# KiCad board 2 - CPU and core components (Rev 2.2).kicad_pcb (continued)
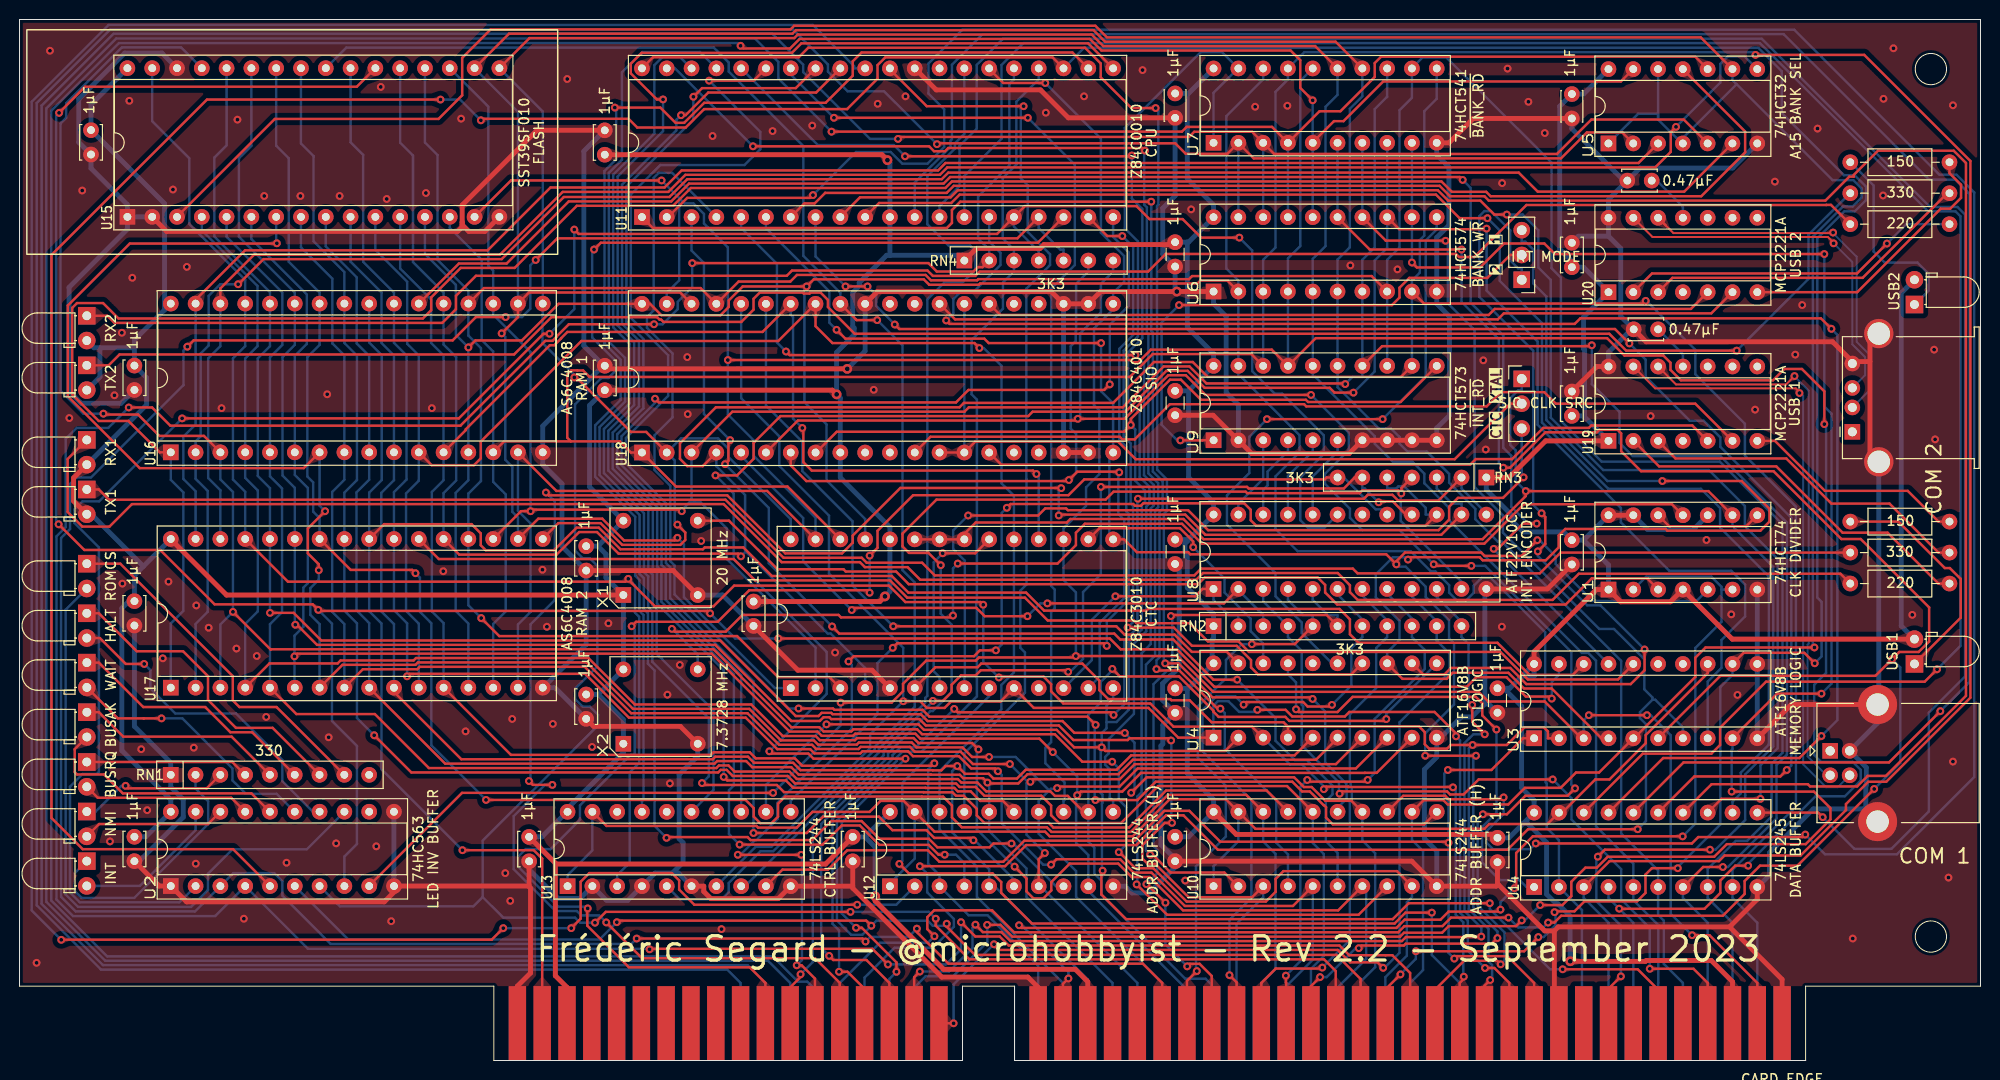
[diagram p0: board, top side]
## Routing (per net, layer and track width the routed paths; a pad name or vN(x,y) marks a point on that pad's centre or on a via; arc(x,y) is an arc through that point) (continued)
A14: length 247.8
  Top w0.25: U10.9 141.09,19.41 129.46,19.41 128.66,18.6 128.66,17.28 127.66,16.29 119.55,16.29 116.13,19.7 114.29,19.7 112.92,21.08 112.87,21.08 v2(112.59,21.35) ; v2(21.86,45.97) 25.72,42.11 25.75,42.14 71.07,42.14 79.06,34.15 81.92,34.15 82.35,33.72 85.19,33.72 85.41,33.94 91.95,33.94 92.45,33.43 106.04,33.43 108.86,30.62 v2(111.92,30.62) ; v2(8.59,66.29) 8.68,66.2 12.14,66.2 14.33,64.01 18.89,64.01 U16.3
  Bottom w0.25: v2(111.92,30.62) 112.6,29.93 112.6,26.71 113.35,25.96 113.35,22.11 v2(112.59,21.35) ; U15.29 16.55,103.82 10.48,103.82 4.78,98.11 4.78,96.6 4.2,96.03 4.2,68.63 6.54,66.29 v2(8.59,66.29) ; U10.9 142.63,16.74 142.1,16.22 142.1,10.74 139.9,8.53 J1.17 ; U17.3 20.57,44.69 v2(21.86,45.97) 21.86,58.27 20.57,59.56 U16.3
A15: length 336.4
  Top w0.25: v2(183.85,42.32) 172.7,42.32 171.65,41.27 171.65,39.31 165.36,33.02 U3.5 161.79,29.51 159.43,29.51 157.85,27.94 154.19,27.94 152.49,26.24 146.28,26.24 145.84,26.68 143.82,26.68 U10.12 ; U5.9 172.2,104.85 111.38,104.85 110.19,106.04 79.34,106.04 78.98,105.67 48.26,105.67 45.34,102.75 45.34,98.91 42.91,96.49 26.15,96.49 16.13,86.47 U15.3
  Bottom w0.25: 167.83,96.43 U5.12 ; 167.83,96.43 169.72,94.54 170.37,94.54 ; 167.83,96.43 167.83,97.03 165.8,97.03 U5.1 ; U5.9 175.45,100.47 175.88,100.05 ; U5.4 170.37,94.54 ; 170.37,94.54 175.88,100.05 ; 175.88,100.05 185.71,90.22 187.83,90.22 188.69,89.36 188.69,88.45 187.77,87.53 186.78,87.53 183.69,84.44 183.69,42.49 v2(183.85,42.32) ; J1.16 142.44,7.95 143.76,9.27 143.76,21.46 142.63,22.59 U10.12
BA15: length 182
  Top w0.25: U16.31 18.03,77.96 23.1,83.02 47.95,83.02 54.39,89.46 66.07,89.46 67.82,91.22 94.09,91.22 94.85,91.98 165.83,91.98 U5.3
  Bottom w0.25: U17.31 18.03,58.34 16.78,59.59 16.78,63.93 18.03,65.18 U16.31
BA16: length 205.9
  Top w0.25: U5.6 170.51,89.04 155.51,89.04 153.56,90.99 95.13,90.99 94.46,90.31 68.39,90.31 66.57,88.49 55.75,88.49 49.39,82.12 24.99,82.12 22.42,79.55 v2(22.39,79.55)
  Bottom w0.25: v2(22.39,79.55) 20.57,79.55 19.37,78.36 19.37,73.28 18.55,72.46 18.55,63.97 18.03,63.45 U16.2 18.03,59.61 19.27,58.37 19.27,45.97 18.03,44.74 U17.2
BA17: length 196.8
  Top w0.25: U16.30 20.57,79.13 24.02,82.57 49.2,82.57 55.64,89.01 66.45,89.01 68.21,90.76 94.27,90.76 95.03,91.53 167.54,91.53 169.13,93.12 169.13,95.14 v2(169.67,95.68)
  Bottom w0.25: U17.30 20.57,58.44 19.32,59.69 19.32,71.96 20.57,73.21 U16.30 ; U5.8 176.71,102.89 174.96,102.89 174.21,102.13 174.21,100.22 v2(169.67,95.68)
BA18: length 239.1
  Top w0.25: U16.1 14.37,62.32 11.16,65.54 8.12,65.54 5.4,68.26 5.4,77.13 5.89,77.62 8.55,77.62 10.13,76.04 41.31,76.04 42.16,76.89 42.16,78.2 45.19,81.22 50.71,81.22 57.08,87.59 66.94,87.59 68.76,89.41 94.83,89.41 95.51,90.09 145.64,90.09 146.71,89.02 150.23,89.02 150.68,88.57 172.26,88.57 176.75,93.07 176.75,95.2 170.37,101.58 U5.11
  Bottom w0.25: U16.1 15.49,59.51 16.78,58.22 16.78,46.08 15.49,44.79 U17.1
BUS_IEI: length 175.4
  Top w0.25: v2(151.71,9.86) 151.35,10.21 147.95,10.21 144.98,7.24 J1.46 ; U18.6 76.45,62.31 79.73,65.59 108.23,65.59 v2(108.4,65.76) 113.2,65.76 117.67,70.23 119.46,70.23 121.48,68.21 v2(132.29,68.21) ; v2(159.33,27.89) 158.57,27.13 154.24,27.13 152.35,25.23 v2(149.89,25.23) ; v2(144.85,50.85) 145.01,50.69 v2(148.71,50.69)
  Bottom w0.25: v2(149.89,25.23) 149.35,24.69 149.35,15.88 152.1,13.13 152.1,10.25 v2(151.71,9.86) ; v2(148.71,50.69) 150.12,50.69 158.95,41.86 158.95,28.27 v2(159.33,27.89) ; RN4.7 112.01,80.85 110.76,79.6 110.76,76.65 108.63,74.52 108.63,65.99 v2(108.4,65.76) ; v2(144.85,50.85) 141.34,54.37 137.52,54.37 136.27,55.62 136.27,56.53 133.72,59.08 133.72,60.12 136.15,62.55 136.15,64.34 v2(132.29,68.21)
BUSAK: length 154.4
  Top w0.25: U13.19 60.12,24.04 75.48,24.04 75.65,23.87 79.61,23.87 81.22,25.47 87.06,25.47 88.19,26.6 90.57,26.6 93.72,23.45 105.04,23.45 105.52,22.98 114.02,22.98 117.81,26.77 123.56,26.77 U10.19 126.59,23.74 150.05,23.74 150.54,24.23 156.51,24.23 U14.19 158.01,25.4 161.41,28.8 162.86,28.8 166.57,32.51 166.57,33.34 172.92,39.69 U3.13
  Bottom w0.25: U10.19 124.85,22.47 122.31,19.93 U10.1 ; U13.1 56.13,18.99 58.67,21.53 U13.19 ; 91.69,25.47 91.69,20.69 89.15,18.15 U12.1
CLK: length 203.8
  Top w0.25: v2(155.47,53.32) 153.86,51.71 150.06,51.71 149.71,52.06 141.92,52.06 141.02,51.16 v2(141.02,50.84) 139.99,51.88 119.92,51.88 119.7,52.09 114.45,52.09 113.14,53.4 U21.15 ; v2(137.18,11.51) 137.45,11.78 141.8,11.78 141.99,11.97 150.8,11.97 v2(151.38,12.55) ; v2(143.98,31.23) v2(149.18,31.23) ; v2(83.69,74.88) 84.59,73.97 98.82,73.97 99.27,73.52 v2(110.78,73.52) ; v2(133.21,8.55) 132.28,7.61 J1.51
  Bottom w0.25: v2(149.18,31.23) 148.9,30.95 148.9,15.69 151.38,13.22 v2(151.38,12.55) ; U1.5 172.92,48.23 171.78,47.09 161.13,47.09 157.35,50.88 157.35,51.66 155.69,53.32 v2(155.47,53.32) ; v2(83.69,74.88) 82.95,75.62 82.95,78.81 76.45,85.31 U11.6 ; v2(133.21,8.55) 133.89,8.55 136.85,11.51 v2(137.18,11.51) ; v2(143.98,31.23) 143.98,33.53 146.93,36.48 146.93,42.75 146.42,43.26 146.42,45.11 144.04,47.5 144.04,48.54 141.97,50.61 141.26,50.61 v2(141.02,50.84) ; U21.15 111.63,53.79 111.63,61.92 U18.20 112.01,67.35 110.78,68.58 v2(110.78,73.52)
CLK2: length 171.5
  Top w0.25: U1.9 172.99,58.35 v2(154.28,58.35) 154.28,57.85 149.86,53.42 121.28,53.42 119.21,55.49 107.63,55.49 107.27,55.13 97.94,55.13 96.77,53.97 U21.21 U21.22 91.69,53.4 ; v2(173.15,21.6) 162.38,21.6 v2(161.66,20.89) ; J1.39 162.76,7.35 v2(164.03,8.62)
  Bottom w0.25: v2(173.15,21.6) 173.72,21.6 176.75,24.64 176.75,27.18 176.75,27.19 176.75,29.31 179.63,32.19 179.63,50.58 175.46,54.75 U1.9 ; v2(161.66,20.89) 161.51,20.74 161.51,16.33 164.03,13.82 v2(164.03,8.62) ; J5.1 153.87,68.67 153.5,68.67 152.69,67.87 152.69,63.08 153.26,62.52 153.26,59.38 v2(154.28,58.35)
CTC_IEI: length 83.7
  Top w0.25: v2(112.64,60.27) 112.57,60.34 108.34,60.34 v2(107.49,59.49) 107.38,59.38 80.59,59.38 78.99,60.98 U18.7
  Bottom w0.25: 109.47,38.16 110.64,39.33 110.64,44.88 113.15,47.39 113.15,55.4 112.55,56 112.55,60.19 v2(112.64,60.27) ; 109.47,81.98 109.47,80.85 108.22,79.6 108.22,74.75 108.18,74.71 108.18,73.71 107.67,73.2 107.67,64.76 108.22,64.21 108.22,60.22 v2(107.49,59.49)
CTCLK1: length 85.1
  Top w0.25: v2(97.16,55.85) 104.33,55.85 105.06,56.58 107.2,56.58 107.38,56.39 119.7,56.39 121.74,54.35 145.35,54.35 146.43,55.43 146.43,56.75 147.34,57.66 151.95,57.66 v2(154.06,59.76)
  Bottom w0.25: v2(154.06,59.76) 153.87,59.95 J5.3 ; v2(97.16,55.85) 95.63,54.32 95.63,52.42 96.83,51.22 96.83,39.34 96.77,39.29 U21.8
CTCLK2: length 92.5
  Top w0.25: v2(90.12,20.15) 91.09,19.18 99.66,19.18 100.55,18.29 100.55,17.17 103.69,14.03 140.84,14.03 141.96,15.15 v2(144.66,15.15)
  Bottom w0.25: U21.9 99.31,37.34 90.42,28.45 90.42,20.45 v2(90.12,20.15) ; v2(144.66,15.15) 144.66,10.8 147.52,7.95 J1.14
D0: length 293.4
  Top w0.25: U6.2 123.72,79.93 120.95,79.93 120.65,79.62 98.39,79.62 98.26,79.5 93.17,79.5 92.62,80.05 81.35,80.05 v2(80.62,79.33) 74.08,79.33 72.64,77.89 72.64,77.22 71.8,76.37 65.75,76.37 64.58,77.54 U18.40 55.21,77.54 51.46,73.79 46.69,73.79 v2(45.97,73.08)
  Bottom w0.25: U21.25 86.61,55.49 82.66,59.44 82.66,65.19 80.39,67.46 80.39,79.1 v2(80.62,79.33) ; U7.18 127.38,100.54 123.61,96.77 123.61,81.16 124.84,79.93 U6.2 124.84,77.68 124.85,77.67 U9.19 124.85,70.06 125.13,70.06 131.1,64.08 131.1,62.32 128.64,59.86 128.64,54.46 130.9,52.2 142.48,52.2 144.55,50.13 145.02,50.13 146.43,48.71 146.43,47.95 147.23,47.15 148.17,47.15 148.95,47.93 148.95,48.65 149.75,49.45 150.7,49.45 156.27,43.89 156.27,37.43 156.22,37.38 156.22,36.78 156.32,36.69 156.32,28.5 156.43,28.39 156.43,23.83 157.68,22.58 U14.2 160.04,15.42 160.04,3.99 J1.9 ; U17.13 45.97,44.77 44.67,46.08 44.67,58.17 45.97,59.47 U16.13 v2(45.97,73.08) 44.7,74.35 44.7,79.48 41.53,82.65 U15.13
D1: length 396.3
  Top w0.25: U9.18 126.18,72.39 116.07,72.39 113.72,70.05 58.39,70.05 57.73,70.71 57.14,70.71 57.13,70.73 56.53,70.73 56.1,70.3 56.1,63.82 56.47,63.45 ; v2(177.81,103.06) 188.95,103.06 199.82,92.18 199.82,37.18 191.2,28.56 189.36,28.56 187.08,26.28 187.08,25.66 182.43,21.01 174.65,21.01 174.07,20.43 162.86,20.43 U14.3 ; 56.47,63.45 61.48,63.45 62.63,62.3 U18.1 67.24,58.82 78.66,58.82 U21.26 ; 56.47,63.45 49.64,63.45 U16.14
  Bottom w0.25: J1.8 162.76,14.11 160.22,16.65 U14.3 ; U17.14 48.51,44.74 49.8,46.02 49.8,58.01 48.51,59.3 U16.14 48.51,72.66 47.34,73.84 47.34,82.06 44.07,85.33 U15.14 ; U9.18 127.39,77.67 127.38,77.68 U6.3 127.38,82.05 128.64,83.31 128.64,99.26 129.92,100.54 U7.17 131.59,103.34 177.53,103.34 v2(177.81,103.06)
D2: length 375.7
  Top w0.25: v2(163.85,15.56) 163.86,15.54 172.59,15.54 174.21,17.17 174.21,18.44 175.74,19.96 v2(177.06,19.96) ; v2(65.77,90.19) 50.34,90.19 U15.15 ; v2(72.55,71.78) 113.78,71.78 114,71.56 114.6,71.56 115.88,72.84 128.27,72.84 U9.17 132.77,74.02 162.61,74.02 164.39,72.25 168.37,72.25 169.11,71.51 169.11,70.77 170.18,69.7 179.6,69.7 180.77,70.87 182.57,70.87 184.86,68.57 v2(184.86,65.22) ; U21.27 76.57,58.37 54.99,58.37 51.05,62.3 U16.15
  Bottom w0.25: v2(184.86,65.22) 185.04,65.04 185.04,39.72 183.83,38.51 183.83,31.3 184.52,30.6 187.77,30.6 188.59,29.78 188.59,28.71 186.96,27.07 183.96,27.07 177.06,20.17 v2(177.06,19.96) ; U21.27 81.53,55.63 75.18,61.98 75.18,63.57 72.55,66.2 v2(72.55,71.78) 72.55,83.33 70.1,85.78 70.1,86.76 69.03,87.83 68.12,87.83 67.57,88.39 ; U14.4 162.76,16.65 163.85,15.56 v2(163.85,15.56) 165.3,14.11 J1.7 ; U17.15 51.05,44.69 52.34,45.97 52.34,55.04 51.05,56.33 U16.15 ; U18.39 66.29,78.67 67.57,79.95 67.57,88.39 ; U7.16 131.18,100.39 131.18,83.46 129.92,82.2 U6.4 129.92,77.68 129.93,77.67 U9.17 ; 67.57,88.39 v2(65.77,90.19)
D3: length 297
  Top w0.25: v2(67.39,54.91) 68.19,54.11 68.19,53.35 67.69,52.84 61.73,52.84 59.51,55.07 55.19,55.07 53.59,53.47 53.59,53.44 ; U15.17 52.23,104.77 79.35,104.77 79.71,105.14 109.82,105.14 111.01,103.95 132.71,103.95 U7.15 ; U18.2 64.18,64.41 62.63,64.41 57.04,70 v2(56.83,70)
  Bottom w0.25: U15.17 53.59,97.25 53.59,76.44 53.56,76.41 53.56,73.53 56.83,70.27 v2(56.83,70) ; v2(67.39,54.91) 67.11,55.19 67.11,61.49 U18.2 67.74,63.75 71.55,63.75 72.61,62.69 72.61,61.84 78.99,55.46 U21.28 ; J1.6 167.84,7.95 167.85,7.96 167.85,13.88 165.3,16.43 U14.5 165.3,20.17 161.48,23.99 161.48,40.97 160.68,41.76 160.03,41.76 146.42,55.37 146.42,56.62 143.89,59.16 143.89,60.14 142.68,61.35 140.67,61.35 138.82,63.21 138.82,63.96 132.72,70.06 132.47,70.06 U9.16 132.47,77.67 132.46,77.68 U6.5 132.46,82.15 133.77,83.46 133.77,97.74 135,98.97 U7.15
D4: length 319.5
  Top w0.25: U18.38 67.67,78.7 52.18,78.7 51.05,77.58 U16.18 51.05,76.19 v2(49.38,74.52) ; U15.18 50.14,105.22 79.16,105.22 79.53,105.59 110.01,105.59 111.19,104.4 134.8,104.4 U7.14 ; U17.18 53.13,55.52 59.69,55.52 61.92,53.29 67.11,53.29 v2(67.39,53.57)
  Bottom w0.25: U7.14 137.54,98.81 136.26,97.54 136.26,83.34 135,82.08 U6.6 135,72.31 135.01,72.31 U9.15 135.01,69 139.23,64.77 140.48,64.77 141.36,63.89 141.36,63.21 142.17,62.4 144.15,62.4 146.43,60.11 146.43,59.21 149.12,56.53 149.12,55.47 151.43,53.16 151.84,53.16 164.05,40.95 164.05,23.27 167.84,19.48 U14.6 167.84,14.91 168.42,14.33 168.42,9.9 170.38,7.95 J1.5 ; U21.1 77.37,38.16 68.06,47.47 68.06,52.89 v2(67.39,53.57) ; U17.18 51.05,55.64 50.48,56.21 50.48,60.84 49.75,61.57 49.75,74.15 v2(49.38,74.52) ; U16.18 51.05,97.22 46.61,101.67 U15.18
D5: length 321.5
  Top w0.25: v2(67.84,56.29) 67.68,56.45 52.5,56.45 v2(52.35,56.29) 51.36,56.29 U17.19 ; v2(161.05,73.3) 160.95,73.2 139.56,73.2 U9.14 ; v2(174.47,19.83) 172.45,19.83 170.4,17.78 U14.7 ; v2(135.79,69.32) 135.72,69.38 121.58,69.38 119.83,71.13 117.19,71.13 113.01,66.94 97.24,66.94 96.78,66.49 73.02,66.49 U18.3
  Bottom w0.25: U14.7 170.38,16.65 172.92,14.11 J1.4 ; v2(67.84,56.29) 67.84,56.41 68.63,57.2 69.22,57.2 ; v2(135.79,69.32) 136.53,70.06 137.55,70.06 U9.14 137.55,72.31 137.54,72.31 U6.7 137.54,82.05 138.8,83.31 138.8,97.49 140.07,98.75 140.08,98.75 U7.13 ; v2(161.05,73.3) 161.05,69.31 163.88,66.47 163.88,63.29 165.23,61.94 174.22,61.94 181.03,55.13 181.03,31.35 179.97,30.29 179.97,24.81 174.99,19.83 v2(174.47,19.83) ; U18.3 68.83,57.59 69.22,57.2 ; 69.22,57.2 69.77,57.2 72.46,54.51 72.46,51.38 81.53,42.31 81.53,39.29 81.53,39.29 U21.2 ; U15.19 48.02,97.75 48.02,81.44 48.51,80.94 U16.19 48.51,76.44 52.34,72.61 52.34,56.3 v2(52.35,56.29)
D6: length 358.1
  Top w0.25: U6.8 138.5,80.39 120.1,80.39 119.79,80.07 98.2,80.07 98.08,79.95 93.35,79.95 92.8,80.5 79.63,80.5 78.95,79.83 73.66,79.83 U18.37 69.76,79.15 47.56,79.15 U16.20 ; v2(47.29,45.34) 49.13,43.49 73.5,43.49 77.7,39.29 82.95,39.29 U21.3
  Bottom w0.25: U15.20 41.53,94.07 42.82,92.79 42.82,82.05 45.97,78.89 U16.20 45.97,74.29 47.26,73 47.26,59.39 45.97,58.1 U17.20 45.97,46.65 v2(47.29,45.34) ; U9.13 140.09,72.31 140.08,72.31 U6.8 140.08,82.05 141.34,83.31 141.34,97.38 142.62,98.66 U7.12 142.62,101.71 143.7,102.79 146.15,102.79 156.92,92.02 156.92,81.2 157.88,80.24 157.88,65.55 162.05,61.37 174.15,61.37 180.58,54.94 180.58,31.54 179.46,30.42 179.46,25.01 176.95,22.5 175.79,22.5 172.92,19.63 U14.8 172.92,16.65 175.46,14.11 J1.3
D7: length 341.6
  Top w0.25: v2(166.57,77.85) 166.29,77.57 143.85,77.57 U6.9 ; v2(73.9,51.67) 73.62,51.94 61.36,51.94 59.15,54.15 57.32,54.15 55.01,51.84 45.04,51.84 U17.21 ; U18.4 69.98,60.91 68.4,60.91 67.64,61.66 67.64,63.26 71.33,66.94 96.28,66.94 96.73,67.39 112.01,67.39 116.2,71.58 120.18,71.58 121.7,70.06 141.5,70.06 U9.12
  Bottom w0.25: U9.12 142.63,72.31 142.62,72.31 U6.9 142.62,79.93 143.43,80.74 143.43,84.07 143.88,84.53 143.88,97.28 145.16,98.56 U7.11 ; U21.4 86.61,40.22 83.08,43.75 82.78,43.75 74.32,52.21 74.32,57.95 71.37,60.9 U18.4 ; J1.2 178,14.11 175.46,16.65 U14.9 175.46,19.53 181.96,26.03 181.96,56.76 176.73,61.99 176.73,65.25 171.65,70.33 171.65,72.84 166.64,77.85 v2(166.57,77.85) ; 74.36,52.13 v2(73.9,51.67) ; U15.21 38.99,94.05 40.3,92.74 40.3,81.82 43.43,78.69 U16.21 43.43,73.37 44.72,72.09 44.72,59.44 43.43,58.15 U17.21
RBA15: length 344.5
  Top w0.25: U5.2 164.17,95.11 160.54,95.11 157.88,92.45 126.42,92.45 124.84,94.02 U7.2 123.71,92.91 119.46,92.91 118.38,93.99 94.06,93.99 v2(93.97,93.91)
  Bottom w0.25: U7.2 U6.19 ; v2(93.97,93.91) 88.56,99.32 84.82,99.32 82.8,101.34 82.8,102.07 79.2,105.67 9.31,105.67 1.75,98.12 1.75,15.91 8.34,9.32 72.48,9.32 73.86,7.95 J1.71
RBA16: length 353.4
  Top w0.25: v2(89.98,94.45) 90.18,94.65 119.79,94.65 120.32,95.17 126.25,95.17 U7.3 127.38,94.02 128.51,92.9 157.47,92.9 161,96.43 170.46,96.43 U5.5
  Bottom w0.25: v2(89.98,94.45) 87.12,94.45 80.26,101.3 80.26,102.06 77.1,105.22 9.63,105.22 2.26,97.85 2.26,16.06 8.55,9.77 74.57,9.77 76.4,7.95 J1.70 ; U7.3 U6.18
RBA17: length 356.7
  Top w0.25: v2(83.17,95.19) 119.06,95.19 119.55,95.68 128.29,95.68 U7.4 133.16,97.28 135.3,97.28 138.81,100.79 138.81,102.22 139.46,102.87 171.64,102.87 U5.10
  Bottom w0.25: v2(83.17,95.19) 77.72,100.63 77.72,102.33 75.31,104.74 9.9,104.74 2.75,97.59 2.75,16.26 8.79,10.22 76.66,10.22 78.94,7.95 J1.69 ; U6.17 U7.4
RBA18: length 351.4
  Top w0.25: U7.5 132.46,94.09 134.64,96.27 135.61,96.27 139.68,100.33 164.02,100.33 U5.13 ; v2(73.86,103.99) 74.13,103.71 78.92,103.71 79.9,104.69 109.64,104.69 110.82,103.5 130.19,103.5 131.18,102.51 131.18,99.67 v2(132.45,98.4)
  Bottom w0.25: U6.16 U7.5 132.46,95.17 132.45,95.18 v2(132.45,98.4) ; v2(73.86,103.99) 73.57,104.27 10.18,104.27 3.25,97.33 3.25,16.4 8.98,10.67 77.15,10.67 79.74,8.08 80.69,8.08 81.48,7.29 J1.68
RBA19: length 273.8
  Top w0.25: v2(156.57,14.13) 157.21,14.13 157.91,14.83 174.47,14.83 176.7,17.07 176.7,18.39 178.28,19.96 182.11,19.96 v2(189.97,27.83) ; U6.15 135,86.4 138.3,83.11 v2(147.71,83.11) ; v2(93.71,12.73) 92.98,13.46 92.98,14.69 93.68,15.39 99.62,15.39 101.87,13.13 141.22,13.13 141.85,13.77 145.75,13.77 146.62,14.64 v2(152.51,14.64) ; U3.6 167.84,33.05 174.21,39.42 190.09,39.42 v2(191.8,41.12) 192.54,41.87 194.52,41.87 195.6,42.94 195.6,46.43 188.59,53.44 186.61,53.44 179.66,60.39 166.1,60.39 164.05,62.43 164.05,64.26 163.69,64.63 161.82,64.63 161.57,64.38 156.3,64.38 152.67,60.75 v2(151.97,60.75)
  Bottom w0.25: v2(152.51,14.64) 153.52,13.63 156.07,13.63 v2(156.57,14.13) ; v2(147.71,83.11) 147.71,77.73 151.52,73.92 151.52,61.2 v2(151.97,60.75) ; v2(93.71,12.73) 93.04,12.06 88.14,12.06 84.02,7.95 J1.67 ; U7.6 U6.15 ; v2(191.8,41.12) 192.64,40.28 192.64,30.5 v2(189.97,27.83)
RBA20: length 195.3
  Top w0.25: v2(92.22,19.9) 92.23,19.91 100.95,19.91 103.11,22.08 114.39,22.08 117.44,25.12 119.22,25.12 122.75,21.59 152.4,21.59 154.51,23.7 v2(165.75,23.7) ; v2(146.07,84) 146.05,84.02 139.94,84.02 U6.14
  Bottom w0.25: 167.26,36.97 165.97,35.69 165.97,35.09 166.59,34.47 166.59,24.54 v2(165.75,23.7) ; 167.26,36.97 167.26,37.2 166.42,38.04 166.42,41.12 163.32,44.22 161.81,44.22 151.95,54.09 151.95,55.85 149.04,58.76 149.04,74.86 146.3,77.59 146.3,83.77 v2(146.07,84) ; 167.26,36.97 167.55,36.97 170.38,34.15 U3.7 ; J1.66 86.56,8.49 89.62,11.55 93.55,11.55 95.7,13.7 95.7,14.5 92.96,17.24 92.96,19.16 v2(92.22,19.9) ; U6.14 U7.7
RBA21: length 260.4
  Top w0.25: v2(76.8,31.69) 77.04,31.45 80.8,31.45 81.32,30.93 v2(90.75,30.93) ; v2(136.63,68.44) 134.69,68.44 134.2,68.93 121.39,68.93 119.65,70.68 117.47,70.68 113.28,66.49 103.77,66.49 103.32,66.04 77.94,66.04 75.18,63.28 75.18,61.65 73.49,59.96 v2(71.29,59.96) ; v2(89.82,9.09) 89.82,10.05 86.27,13.6 v2(85.68,13.6) ; U6.13 141.31,85.19 150.21,85.19 v2(150.27,85.25)
  Bottom w0.25: v2(76.8,31.69) 82.67,37.56 82.67,41.86 73.15,51.39 73.15,58.1 v2(71.29,59.96) ; U7.8 U6.13 140.08,83.27 138.8,81.99 138.8,70.61 v2(136.63,68.44) ; v2(150.27,85.25) 150.27,78.9 155.49,73.68 155.49,65.15 164.03,56.62 164.03,55.14 168.99,50.18 175.34,50.18 176.75,48.77 176.75,45.52 174.33,43.1 174.33,40.25 172.92,38.83 U3.8 ; v2(89.82,9.09) 89.1,8.36 J1.65 ; v2(90.75,30.93) 84.21,24.4 84.21,15.07 v2(85.68,13.6)
RBA22: length 238
  Top w0.25: v2(184.86,82.65) 157.26,82.65 156.18,83.73 152.05,83.73 149.6,81.27 143.13,81.27 v2(142.62,81.78) ; v2(184.57,37.59) 180.03,37.59 U3.9 ; v2(175.37,27.55) 183.79,27.55 185.49,25.86 185.49,24.71 182.95,22.17 174.87,22.17 173.58,20.88 162.68,20.88 161.56,19.76 160.39,19.76 158.95,18.32 158.95,16.84 158.03,15.93 v2(155.75,15.93) ; v2(153.87,14.36) 153.28,13.77 146.38,13.77 145.71,13.09 141.81,13.09 141.4,12.68 101.69,12.68 100.47,13.9 v2(99.11,13.9)
  Bottom w0.25: U7.9 U6.12 v2(142.62,81.78) ; J1.64 91.64,7.46 92.81,8.64 95.62,8.64 99.13,12.14 99.13,13.88 v2(99.11,13.9) ; v2(184.86,82.65) 184.86,67.02 185.6,66.29 185.6,38.62 v2(184.57,37.59) ; v2(175.37,27.55) 175.37,31.81 175.46,31.89 U3.9 ; v2(155.75,15.93) 154.19,14.36 v2(153.87,14.36)
RD: length 49.1
  Top w0.25: v2(130.75,35.99) 131.03,35.71 134.99,35.71 136.55,37.26 149.17,37.26 149.83,36.6 149.83,35.36 v2(151.28,33.91)
  Bottom w0.25: v2(151.28,33.91) 151.28,25.38 149.8,23.91 149.8,20.3 151.61,18.49 153.64,18.49 154.35,17.78 U14.1 ; U4.17 129.92,39.58 130.75,38.75 v2(130.75,35.99)
~{BANK_RD}: length 104.2
  Top w0.25: v2(113.5,44.37) 113.5,44.36 118.23,44.36 120.09,42.5 124.67,42.5 126.14,41.03 126.14,40.28 126.86,39.56 136.4,39.56 U4.14
  Bottom w0.25: U7.1 122.3,99.17 124.8,101.66 U7.19 123.17,103.34 120.98,103.34 113.21,95.57 113.21,85.29 114.55,83.94 114.55,74.21 113.1,72.75 113.1,63.96 113.81,63.24 113.81,57.1 114.05,56.86 114.05,44.92 v2(113.5,44.37)
~{BANK_WR}: length 66.6
  Top w0.25: v2(127.77,65.73) v2(139.62,65.73)
  Bottom w0.25: U6.11 145.16,85.17 144.04,84.05 144.04,70.14 v2(139.62,65.73) ; U4.15 134.43,40.7 131.34,43.8 131.34,44.89 128.65,47.57 128.65,49.95 123.68,54.93 123.68,57.91 125.97,60.21 125.97,63.92 v2(127.77,65.73)
~{BUSAK}: length 416
  Top w0.25: v2(155.57,12.65) 154.11,11.19 v2(143.02,11.19) ; v2(43.12,98.48) 19.2,98.48 3.28,82.56 3.28,24.85 6.47,21.66 21.87,21.66 25.65,17.87 ; v2(47.25,96.35) 47.41,96.5 62.38,96.5 63.27,95.61 68.23,95.61 70.12,97.5 84.76,97.5 87.88,100.62 87.88,102 88.68,102.8 105.81,102.8 U11.23 ; v2(157.23,15.2) 157.31,15.28 159.27,15.28 160.29,16.31 165.68,16.31 166.54,17.17 166.54,19.05 167.2,19.71 169.85,19.71 v2(169.86,19.7) ; J1.48 139.9,7.27 v2(141.45,8.82) ; U3.12 176.59,41.78 182.81,41.78 v2(183.88,40.71)
  Bottom w0.25: v2(155.57,12.65) 156.11,12.65 157.32,13.86 157.32,15.1 v2(157.23,15.2) ; v2(183.88,40.71) 184.58,41.41 184.58,47 184.14,47.45 184.14,84.25 186.91,87.02 187.98,87.02 189.14,88.18 189.14,89.55 187.96,90.73 186.86,90.73 180.51,97.08 180.51,101.38 178.1,103.79 109.05,103.79 U11.23 ; v2(141.45,8.82) 141.45,8.84 143.02,10.41 v2(143.02,11.19) ; U3.12 175.46,39.51 174.21,38.27 174.21,24.18 169.86,19.83 v2(169.86,19.7) ; v2(47.25,96.35) 45.13,98.48 v2(43.12,98.48)
~{BUSRQ}: length 330.3
  Top w0.25: v2(88.95,9.84) 87.35,11.45 64.59,11.45 v2(64.53,11.39) ; v2(11.19,66.92) 13.58,66.92 15.45,65.05 45.16,65.05 53.86,73.75 54.59,73.75 55.02,74.18 55.02,74.2 56.27,75.45 64.99,75.45 v2(64.99,75.45) ; v2(96.44,14.17) 97.9,12.71 100.39,12.71 101.31,11.78 135.2,11.78 136.2,10.78 139.92,10.78 139.92,10.79 140.62,10.79 142.44,8.97 J1.47 ; v2(68.9,81.72) 93.09,81.72 93.95,80.85 97.71,80.85 98.15,81.3 98.63,81.3 RN4.2
  Bottom w0.25: v2(68.9,81.72) 68.9,79.23 67.42,77.75 67.42,77 65.87,75.45 v2(64.99,75.45) ; U11.25 101.85,100.55 101.39,100.08 101.39,91.74 98.18,88.53 98.18,84.23 99.31,83.1 RN4.2 ; v2(64.53,11.39) 64.48,11.45 29.54,11.45 U2.4 20.04,14.8 5.48,14.8 3.78,16.5 3.78,53.71 4.73,54.65 4.73,63.7 5.85,64.83 9.09,64.83 v2(11.19,66.92) ; v2(88.95,9.84) 94.88,9.84 96.44,11.4 v2(96.44,14.17)
~{CLK}: length 125.3
  Top w0.25: v2(170.35,22.97) 170.34,22.98 155.01,22.98 153.3,21.27 153.3,17.83 v2(153.12,17.65) ; v2(102.38,13.86) 102.65,13.58 141.03,13.58 141.87,14.43 145.54,14.43 146.38,15.26 151.49,15.26 v2(151.69,15.46) ; v2(107.44,8.4) 106.88,7.84 J1.61
  Bottom w0.25: v2(107.44,8.4) 107.44,9.07 102.64,13.86 v2(102.38,13.86) ; 174.33,48.26 174.33,44.96 171.65,42.28 171.65,24.26 v2(170.35,22.97) ; 174.33,48.26 U1.6 ; 174.33,48.26 174.33,48.54 173.29,49.58 166.62,49.58 U1.2 ; v2(153.12,17.65) 151.69,16.23 v2(151.69,15.46)
~{CTC_CS}: length 27.2
  Top w0.25: v2(120.22,52.6) 120.22,53.19 118.86,54.55 110.62,54.55 109.47,53.4
  Bottom w0.25: v2(120.22,52.6) 123.43,49.39 123.43,47.95 126.1,45.28 126.1,43.99 127.38,42.72 U4.18
~{HALT}: length 242.8
  Top w0.25: v2(93.85,14.53) 93.85,13.82 97.29,10.37 133.62,10.37 134.82,9.17 J1.50 ; v2(85.12,15.23) 60.05,15.23 v2(58.94,14.12) ; U11.18 104.3,83.8 59.54,83.8 v2(58.84,83.11)
  Bottom w0.25: v2(85.12,15.23) 93.14,15.23 v2(93.85,14.53) ; v2(58.84,83.11) 58.66,82.92 58.66,74.09 61.09,71.66 61.09,70.72 60.31,69.94 59.6,69.94 56.9,67.25 56.9,52.25 57.69,51.46 58.42,51.46 59.18,50.7 59.18,40.38 56.91,38.11 56.91,37.03 57.69,36.26 58.42,36.26 59.25,35.43 59.25,34.34 47.44,22.53 47.44,16.75 ; v2(58.94,14.12) 57.42,14.12 56.9,14.64 49.55,14.64 47.44,16.75 ; 47.44,16.75 46.49,15.8 32.81,15.8 30.73,17.87
~{INT}: length 239.2
  Top w0.25: v2(56.82,85.15) 57.27,84.7 100.12,84.7 U11.16 102.98,87.56 114.4,87.56 115.74,86.23 119.13,86.23 121.03,84.33 v2(124.94,84.33) ; v2(54.29,74.48) 53.67,74.48 44.99,65.8 v2(16.65,65.8)
  Bottom w0.25: v2(56.82,85.15) 56.82,77.01 v2(54.29,74.48) ; U8.19 133.62,54.56 132,54.56 131.18,55.37 131.18,59.75 133.59,62.15 133.59,64.08 129.33,68.34 128.56,68.34 126.26,70.65 126.26,83.02 v2(124.94,84.33) ; U2.2 18.03,17.86 16.38,16.21 6.17,16.21 5.17,17.21 5.17,28.07 6.47,29.37 7.92,29.37 8.13,29.57 8.13,52.58 5.63,55.09 5.63,56.47 6.45,57.3 8.14,57.3 v2(16.65,65.8) ; RN4.4 104.39,82.92 101.85,85.46 U11.16